# Altium PCB 3-as-manufactured.PcbDoc (part 6 of 16)
Units mil, origin at the board's own origin, x right, y up, seen from the top; angles counter-clockwise.
Board outline 4130.55 x 4250 mil, 8 copper layers (L1_TOP, L2_GND, L3_INT, L4_PWR, L5_PWR, L6_INT, L7_GND, L8_BOT), stack 61 mil thick; 584 components, 489 nets, 2229 pads, 1894 vias.
Unrouted connection lines stored in the file: 4.
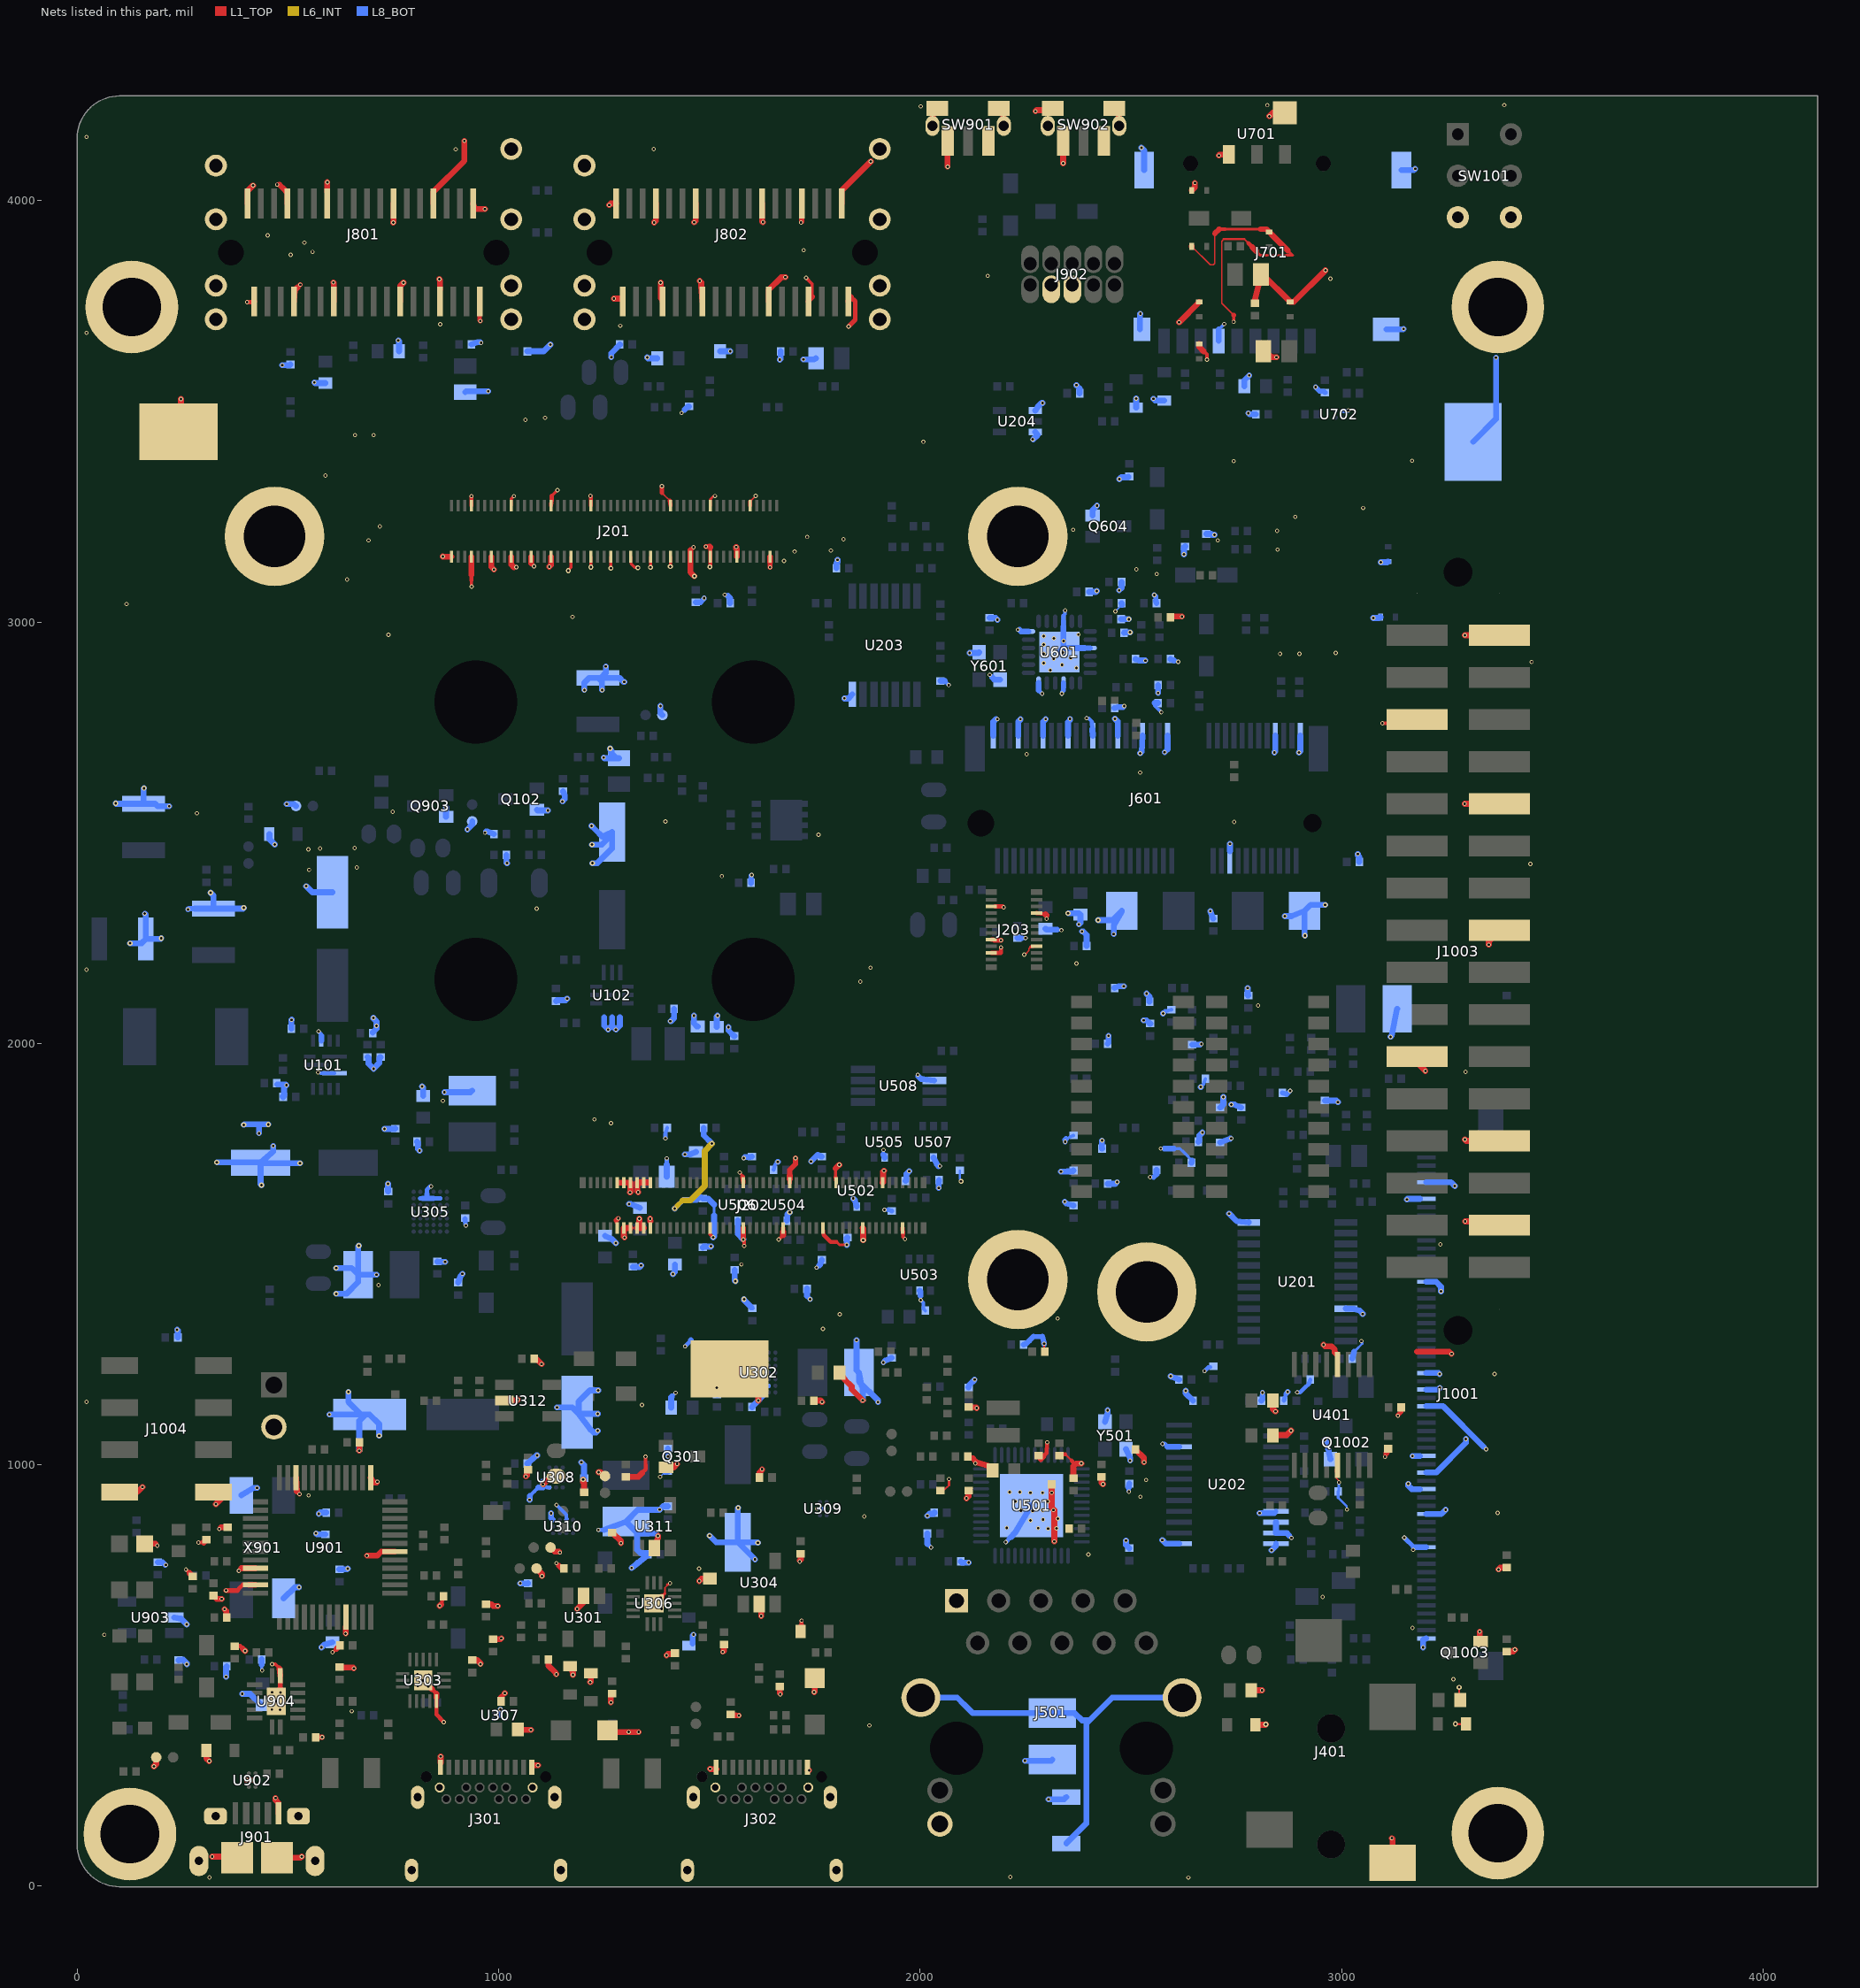
[diagram p12: the nets of this part, all layers, seen from the top]

## Via types
v1: diameter 10, hole 5.9, L1_TOP to L8_BOT, tented both sides, 1703 vias
v2: diameter 12, hole 5.9, L1_TOP to L8_BOT, tented both sides, 110 vias
v3: diameter 10, hole 6, L1_TOP to L8_BOT, tented both sides, 69 vias
v4: diameter 12, hole 6, L1_TOP to L8_BOT, tented both sides, 12 vias

## Nets (pads, with @x,y where several pads share a name; then routed paths per layer and width w, separated by ;. In a path a pad name is that pad's centre, name@x,y a point inside that pad or via, vN(x,y) a via of type N, cw(c..) or ccw(c..) an arc to the next point about the centre after c; other vN are vias at no path point) (continued)
GND: BH1201.1 BH1202.1 BH1203.1 BH1204.1 BH1206.1 BH1207.1 BH1208.1 BH1209.1 C101.2 C103.2 C105.2 C106.2 C107.2 C108.2 C109.2 C113.2 C114.2 C116.2 C117.2 C119.2 C120.2 C121.2 C141.2 C142.2 C145.2 C157.2 C161.2 C201.2 C202.2 C203.2 C204.2 C205.2 C206.2 C207.2 C208.2 C209.2 C210.2 C211.2 C212.2 C213.2 C214.2 C215.2 C216.2 C217.2 C218.2 C219.2 C220.2 C221.2 C301.2 C302.2 C303.2 C304.2 C305.2 C308.2 C309.2 C311.2 C313.2 C314.2 C316.2 C317.2 C318.1 C319.2 C320.1 C321.2 C322.2 C323.2 C325.2 C326.2 C327.2 C329.2 C331.2 C332.1 C333.2 C334.2 C335.2 C336.1 C337.2 C338.2 C339.2 C340.2 C341.2 C342.2 C343.2 C344.2 C401.2 C402.2 C403.2 C404.1 C406.1 C407.2 C501.2 C502.2 C503.2 C504.2 C505.2 C506.2 C507.2 C508.2 C509.2 C510.2 C511.2 C512.2 C513.2 C514.2 C515.2 C516.2 C517.1 C518.2 C519.2 C520.2 C521.2 C522.2 C523.2 C524.2 C525.2 C526.2 C527.2 C603.2 C604.2 C605.2 C606.2 C607.2 C608.2 C609.2 C611.2 C613.2 C614.2 C617.2 C618.2 C620.2 C621.2 C622.2 C623.2 C624.2 C625.2 C702.2 C703.2 C704.2 C706.2 C707.2 C708.2 C801.2 C802.2 C803.2 C804.2 C805.2 C806.2 C807.2 C811.2 C812.2 C813.2 C814.2 C815.2 C901.2 C902.2 C903.2 C905.2 C906.2 C907.2 C908.2 C909.2 C910.2 C911.2 C912.2 C913.2 C914.2 C915.2 C916.2 C917.2 C918.2 C920.1 C1001.2 C1002.2 C1003.2 D101.A D301.A D303.A D702.A D703.A D704.A D705.A D706.A D707.A D708.C D1001.A D1002.A J101.2 J201.1 J201.7 J201.8 J201.13 J201.19 J201.20 J201.25 J201.31 J201.32 J201.37 J201.43 J201.44 J201.49 J201.55 J201.61 J201.67 J201.68 J201.73 J201.79 J201.80 J201.87 J201.92 J201.97 J202.9 J202.10 J202.11 J202.12 J202.13 J202.14 J202.15 J202.16 J202.17 J202.18 J202.19 J202.20 J202.47 J202.48 J202.60 J202.61 J202.72 J202.75 J202.84 J202.89 J202.96 J203.3 J203.6 J203.7 J203.16 J203.17 J301.25 J301.26 J301.27 J301.28 J301.A1 J301.A12 J301.B1 J301.B12 J302.25 J302.26 J302.27 J302.28 J302.A1 J302.A12 J302.B1 J302.B12 J401.1 J501.1 J501.12 J601.1 J601.7 J601.18 J601.33 J601.39 J601.45 J601.51 J601.57 J601.63 J601.69 J601.75 J701.6 J701.10 J701.11 J701.12 J701.13 J801.A1 J801.A4 J801.A7 J801.A12 J801.A15 J801.A18 J801.B1 J801.B4 J801.B7 J801.B12 J801.B15 J801.B18 J801.T1 J801.T2 J801.T3 J801.T4 J801.T5 J801.T6 J801.T7 J801.T8 J802.A1 J802.A4 J802.A7 J802.A12 J802.A15 J802.A18 J802.B1 J802.B4 J802.B7 J802.B12 J802.B15 J802.B18 J802.T1 J802.T2 J802.T3 J802.T4 J802.T5 J802.T6 J802.T7 J802.T8 J901.5 J901.S1 J901.S2 J901.S3 J901.S4 J901.S5 J901.S6 J902.3 J902.5 J1001.5 J1001.7 J1001.17 J1001.28 J1001.30 J1001.32 J1001.38 J1001.40 J1001.42 J1001.45 J1001.49 J1001.60 J1003.6 J1003.9 J1003.14 J1003.20 J1003.25 J1003.30 J1003.34 J1003.39 J1004.7 J1004.8 Q102.2 Q301.2 Q604.2 Q903.2 Q1002.2 Q1003.2 R108.2 R109.2 R111.2 R115.2 R133.2 R139.2 R215.2 R301.2 R313.2 R314.2 R321.2 R322.2 R328.1 R329.1 R330.1 R333.2 R346.2 R357.2 R359.2 R361.1 R405.2 R514.1 R515.2 R517.2 R518.2 R520.2 R521.2 R522.2 R523.2 R524.2 R525.2 R618.1 R619.1 R620.1 R621.2 R622.2 R625.1 R921.2 R922.2 R930.1 R1033.2 R1102.2 R1104.2 R1106.2 R1108.2 R1110.2 R1112.2 R1114.2 R1116.2 R1118.2 R1120.2 R1122.2 R1124.2 R1126.2 R1128.2 R1130.2 R1132.2 R1134.2 R1136.2 R1139.2 R1140.2 SW101.3 SW101.6 SW901.1 SW901.3 SW901.SH SW902.1 SW902.3 SW902.SH TP1201.1 TP1202.1 TP1203.1 TVS303.1 TVS304.1 TVS307.1 TVS308.1 TVS401.1 TVS402.1 TVS701.1 TVS702.1 TVS901.1 U101.2 U101.10 U102.10 U201.12 U201.21 U202.9 U202.10 U202.11 U202.12 U202.13 U202.22 U203.7 U204.1 U204.3 U301.2 U302.A4 U302.B2 U302.B3 U302.B4 U302.B5 U303.5 U303.17 U304.2 U305.A4 U305.B2 U305.B3 U305.B4 U305.B5 U306.17 U307.B1 U308.B3 U308.D3 U309.B1 U310.B3 U310.D3 U311.2 U312.2 U401.4 U401.13 U501.49 U502.2 U503.2 U504.2 U505.2 U506.2 U507.2 U508.2 U601.6 U601.10 U601.15 U601.21 U601.24 U601.25 U701.3 U701.4 U702.B2 U901.9 U901.18 U901.25 U901.34 U901.45 U901.47 U902.B1 U903.2 U904.7 U904.15 X901.2 X901.4 Y501.2 Y501.4 Y601.2 Y601.4 | length 19760.1
  L1_TOP w3.5: 1387.13,3306.94 1392.81,3301.25 1398.5,3295.57 1398.85,3295.57 J201.68@1405.75,3288.67 ; J201.92@1596.46,3286.53 1602.97,3293.03 v1(1609.47,3299.53) ; C504.2@2048.32,938.62 2057.39,941.35 2063.67,947.64 2064.63,947.64 ; 2253.68,2214.99 2254.45,2216.87 2255.21,2218.02 2257.94,2220.74 2257.94,2225.37 2257.97,2225.44 2258.1,2225.44 ; D706.A@2644.37,3891.86 2688.17,3848.05 2695.86,3848.05 2699.14,3851.32 2699.14,3922.42 ; 2720.38,3909.21 2715.32,3904.15 2715.32,3757.18 2724.79,3747.71 2734.27,3738.23 2743.75,3728.75 ; 2768.94,3909.21 2778.55,3899.6 ; 2822.59,3870.76 2868.18,3870.76
  L1_TOP w3.83: 1394.29,694.32 1394.29,708.53 1399.89,714.12 1399.89,715.58 ; 2064.63,947.64 2068.37,951.38 ; v1(2247,2211) 2248.67,2211 2252.66,2214.99 2253.68,2214.99 ; 2258.1,2225.44 2258.1,2225.58 2261.98,2229.46 ; v1(2294.08,1287.53) 2294.08,1270.05 C523.2@2295.32,1268.81 ; 2988.02,967.89 2992.63,963.28 2992.63,959.4 v1(2993.81,958.22)
  L1_TOP w4.85: J202.10@1278.81,1575.43 J202.10@1280.8,1561.94 ; 2344.54,1024.87 2359.74,1009.67 ; 2988.02,967.89 U401.13@2989.04,983.2
  L1_TOP w5: v2(3270,385) TVS402.1@3295.46,385 ; v2(3279,472) 3279,444.59 C407.2@3281.59,442
  L1_TOP w5.87: J202.9@1280.81,1669.65 1284.8,1669.65 ; J202.19@1355.55,1670.35 J202.19@1359.55,1669.65 ; J202.20@1359.55,1561.93 J202.20@1359.55,1570.29 ; 1399.89,715.58 1401.84,715.58 1405.18,718.93 v1(1406.3,718.93) ; J201.80@1501.99,3289.68 1501.99,3291.33 1510.02,3299.36 v1(1512.97,3299.39) ; v1(1572,1694) 1572,1692.88 1578.69,1686.2 1578.69,1683.28 ; 1801.49,1529.1 1808.6,1521.98 v1(1826,1522) ; 2068.37,951.38 v1(2068.37,966.34) ; 2720.38,3909.21 2768.94,3909.21
  L1_TOP w6.9: J201.20@1029.54,3276.42 1029.55,3292.94 v1(1035.65,3299.04) ; 1125.37,3299.48 v1(1139.04,3313.15) ; v2(1164.75,3122.25) 1164.75,3123.63 1171.27,3130.15 J201.37@1171.27,3155.16 ; v2@1218.49,3130.54 J201.43@1218.51,3155.16 ; J201.49@1265.76,3155.16 1265.88,3155.04 1265.88,3128.12 v2(1266,3128) ; J201.55@1313,3155.16 1313.55,3154.61 1313.55,3139 1322.57,3129.98 1329.02,3129.98 v2(1330,3129) ; v2(1360,3130) 1360.12,3130.12 1360.12,3155.04 J201.61@1360.24,3155.16 ; U306.17@1386.56,686.6 1394.29,694.32 ; v2(1407,3132) 1407.25,3132.25 1407.25,3154.92 J201.67@1407.49,3155.16 ; 2261.98,2229.46 J203.6@2276.44,2230.9 ; 2723.44,3932.55 2807.94,3932.55 ; 2797.78,3880.37 2807.39,3870.76 2822.59,3870.76 ; 2868.18,3870.76 2883.37,3870.76 ; 2872.3,3881.85 2883.38,3870.77
  L1_TOP w7.92: v1(257.62,751.8) C903.2@266.12,743.3 ; v1(462.19,527.08) 469.81,527.08 U904.7@479.67,517.22 ; v1(605.24,555.19) 606.37,555.19 614.53,563.35 ; 935.06,3098.86 935.13,3098.79 935.13,3084.85 v1(935.53,3084.46) ; v1(1136.52,766.89) 1142.87,760.53 ; J202.10@1278.81,1575.43 1278.81,1580.29 ; J202.20@1359.55,1570.29 1359.55,1578.65 ; J201.80@1501.98,3276.42 J201.80@1501.99,3289.68 ; v1(1664.32,1534.67) 1674.51,1544.86 ; v1(1729,3817) 1743.56,3802.44 1743.56,3772.71 ; 1799.16,1683.15 1799.16,1703.59 ; 1959.3,1548.43 1959.3,1541.26 1964,1536.56 v1(1964,1536) ; v1(2299.69,2296.18) 2299.69,2304.29 ; 2709.27,3932.55 2723.44,3932.55 ; v1(2743.75,3712.82) 2743.75,3728.75 ; v1(3103,1019) 3103.4,1019.4 3103.4,1024.77 3105.98,1027.35
  L1_TOP w8.94: v1(287.05,815.56) C908.2@299.66,815.56 ; v1(336.57,847.69) 340.8,851.93 ; v1@862.95,668.62 R921.2@865.82,678.19 ; 935.06,3098.86 935.06,3112.94 ; v1@1142.56,794.43 v1(1145.11,791.88) ; 1339.99,980.59 1348.75,989.35 1348.75,1000.93 1348.25,1001.42 v1(1348.25,1019.59) ; v1(1580.02,1535.03) 1582.26,1532.79 v1(1582.26,1519.39) ; J201.92@1596.46,3276.42 J201.92@1596.46,3286.53 ; v1@1717.05,3948.74 v1@1718.98,3950.67 ; TVS308.1@1718.45,618.62 v1(1718.45,630.17) ; J202.72@1768.98,1561.93 1769.77,1553.95 1770.56,1545.97 1778.99,1537.53 1787.42,1529.1 1801.49,1529.1 ; 1799.16,1683.15 J202.75@1800.49,1669.65 ; v1(2130.97,1003.78) v1@2132.62,1005.42 ; 2299.69,1038.44 2301.11,1039.87 2301.11,1053.42 v1(2301.32,1053.63) ; C512.2@2330.32,1021.63 2337.51,1024.87 2344.54,1024.87 ; 2672.4,3643.08 2672.93,3643.08 2680.56,3635.45 v1(2680.56,3623) ; v1(3096.91,2760.25) J1003.9@3111.66,2760.25 ; v1(3133.42,1116.51) v1@3133.42,1117.95
  L1_TOP w9.96: 185.19,812.83 v1(189.61,808.42) ; C915.2@372.87,569.7 386.51,569.7 392.18,564.03 ; 379.56,701.96 386.17,708.57 U901.47@392.78,715.18 ; v1(382.99,748.46) 383.24,748.46 389.37,754.59 ; v1(402.79,3759.59) J801.A1@417.58,3759.59 ; v1(473.93,4038.51) 479.44,4038.51 ; v1@709.84,958.18 v1(711.75,960.09) ; U303.17@841.76,467.37 852.26,456.86 ; U303.5@852.26,448.09 852.26,407.44 860.79,398.92 860.79,397.91 v1(869.32,389.38) ; R921.2@865.82,678.19 R921.2@868.7,687.75 ; v1(934.83,3299.26) 934.83,3276.65 J201.8@935.05,3276.42 ; 1076.79,3139.39 v1(1083.59,3132.59) ; J201.32@1124.02,3276.42 1125.37,3290.43 ; v1(1217.62,3299.55) 1218.52,3298.65 J201.44@1218.51,3276.42 ; J201.68@1405.75,3288.67 J201.68@1407.49,3276.42 ; 1454.74,3170.72 1461.85,3177.83 v1(1461.85,3177.92) ; v2(1501,3131) 1501,3131.55 1501.98,3132.53 J201.79@1501.98,3155.16 1501.99,3177.88 ; J202.60@1674.51,1553.4 J202.60@1674.51,1561.93 ; v1(1714.21,770.53) v1@1714.21,773.16 ; J202.96@1957.97,1561.93 1959.3,1548.43 ; J203.3@2168.74,2215.14 2191.65,2215.14 v1(2191.67,2228.43) ; J203.7@2168.74,2246.65 2173.95,2246.65 J203.7@2175.46,2245.14 ; J203.17@2177.26,2325.39 2195.6,2325.39 v1(2198,2323) ; J203.16@2276.44,2309.64 2286.93,2308.09 2297.42,2306.56 ; 2292.83,1021.03 2299.69,1027.88 2299.69,1038.44 ; 2359.74,1009.67 2365.19,1003.62 ; 2778.55,3899.6 2788.16,3889.98 ; U401.13@2989.04,983.2 U401.13@2990.06,998.52
  L1_TOP w10.99: U901.47@392.78,715.18 U901.47@407.59,715.18 ; v1@400.98,251.77 409.84,251.77 U902.B1@414.88,251.79 ; U904.15@481.46,469.6 U904.7@481.46,499.75 ; 521.01,936.81 v1(527.09,930.73) ; 522.18,3794.32 v1(528.91,3801.06) ; J801.A18@954.65,3761.22 954.65,3716.35 v1(956,3715) ; C303.2@1005.06,448.69 v1@1014.33,457.96 ; 1035.48,3130.77 v1(1041.84,3130.77) ; 1125.37,3290.43 1125.37,3299.48 ; 1387.13,3306.94 v1(1387.13,3322.59) ; v1(1491.39,3179.42) 1500.45,3179.42 ; 1578.69,1683.28 1578.69,1683.15 J202.47@1580.02,1669.65 ; v1(1643.72,3130.31) J201.97@1643.72,3143.19 ; J202.61@1690.24,1669.65 J202.61@1690.24,1677.94 ; v1(1830,3702) 1845.72,3717.72 1845.72,3761.36 J802.A18@1835.4,3771.68 ; J203.7@2175.46,2245.14 v1(2191.65,2245.14) ; v1@3133.42,1117.95 3141.32,1125.85 C404.1@3141.33,1136
  L1_TOP w12.01: v1(352.68,701.96) 379.56,701.96 ; C916.2@565.03,353.61 v1(580.92,353.61) ; v1(956.4,526.89) v1@956.4,529.14 ; 1278.81,1580.29 v1(1283.43,1584.92) ; v1(1531.3,555.71) v1@1534.06,558.47 ; 1561.34,405.34 v1(1569.97,405.34) ; v1(1667.99,455.79) v1@1667.99,457.11 ; 1690.24,1686.24 1690.24,1700.24 1704,1714 v1(1704,1728) ; J802.A15@1734.73,3761.22 J802.A15@1736.45,3765.6
  L1_TOP w13.03: v1(400.94,251.82) v1@400.98,251.77 ; 479.44,4038.51 488.7,4029.25 ; 982.3,3131.2 v1(988.72,3124.78) ; J802.A4@1388.29,3761.22 J802.A4@1388.29,3765.21 ; v1(1580.02,1535.03) J202.48@1580.02,1561.93 ; v1@1718.98,3950.67 J802.B15@1718.98,3993.5 ; 2125.57,1015.09 v1@2132.18,1006.83 ; v1@2132.62,1005.42 v1@2132.62,1006.52 ; 2699.14,3922.42 2709.27,3932.55 ; 2807.94,3932.55 2821.6,3932.55
  L1_TOP w14.05: J1004.8@100.37,935.79 142.6,935.79 v1(154.31,947.5) ; D708.C@160.12,812.83 185.19,812.83 ; v1(181.59,284.22) 186.99,289.62 R930.1@186.99,305.92 ; TP1201.1@240,3452 245.69,3457.69 v1(245.69,3529.41) ; C903.2@266.12,743.3 C903.2@273.34,735.72 ; C908.2@299.66,815.56 C908.2@306.52,822.41 ; TVS901.1@305.9,322.3 305.91,303.58 v1(312.72,296.77) ; v1(319.83,70.06) 376.51,70.06 J901.S3@378.87,67.7 ; J1004.7@322.89,935.79 339.54,917.42 v1(328.81,906.69) ; C902.2@323.11,689.6 330.78,681.92 v1(342.6,681.92) ; 340.8,851.93 C907.2@356.28,851.93 ; v1(349.24,657.44) 353.32,653.36 353.32,641.16 C901.2@354.46,637.95 ; 389.37,754.59 U901.45@422.4,754.59 ; 392.18,564.03 v1(397.85,558.36) ; J801.B1@403.47,3993.5 403.46,4023.09 v1(416.84,4036.46) ; U901.47@407.59,715.18 U901.47@422.4,715.19 ; J801.A1@417.58,3759.59 J801.A1@419.22,3761.22 ; v1(470.12,209.2) 470.12,204.31 477.32,197.11 J901.5@477.31,173.02 ; v1(471.63,438.73) 473.45,456.72 477.26,462.84 U904.15@481.46,469.59 ; J901.S4@473.37,67.71 530.04,67.7 v1(532.41,70.06) ; U904.7@479.67,517.22 U904.7@481.46,499.75 ; 488.7,4029.25 497.95,4020 J801.B4@497.96,3993.5 ; J801.A4@513.71,3761.22 515.44,3787.59 522.18,3794.32 ; U901.34@518.95,969.34 521.01,936.81 ; J801.B7@592.48,4021.97 592.48,4043.48 v1(593,4044) ; v1(607.54,3806.12) 608.19,3805.47 J801.A7@608.19,3761.22 ; 614.53,563.35 C909.2@623.52,571.54 ; C920.1@621.7,519.9 625.39,518.79 654.21,518.79 v1(656,517) ; v1(636.6,599.6) U901.9@636.6,615.36 ; v1(668.83,1033.65) 669.63,1034.45 R922.2@669.64,1052.99 ; v1(687,784.43) 711.35,784.43 720.92,794 U901.18@753.4,793.99 ; U901.25@696.25,969.34 702.93,958.18 v1@709.84,958.18 ; v1(749.46,3948.63) 749.92,3949.09 J801.B12@749.93,3993.5 ; J801.A12@765.67,3761.22 765.67,3797.62 v1(773.77,3805.72) ; U303.17@820.75,488.54 v1(820.75,488.37) U303.17@841.76,467.37 ; J801.B15@844.41,3993.5 844.41,4020.72 918.33,4094.64 v1(918.33,4142.02) ; U303.5@852.26,448.09 852.26,456.86 ; v1(859,3814) 860.16,3812.84 J801.A15@860.16,3789.69 ; v1(859.64,665.3) v1@862.95,668.62 ; J301.A1@862,292.84 v1(862,308) ; v1(867.02,3155.86) 867.72,3155.16 J201.1@887.8,3155.16 ; 935.06,3112.94 J201.7@935.05,3155.16 ; R301.2@936.88,536.5 949.04,536.5 v1@956.4,529.14 ; J801.B18@938.9,3993.5 943.95,3980.71 v1(967.05,3980.71) ; C320.1@970.06,669.31 982.24,669.31 986.61,664.94 v1(997.42,664.94) ; 982.3,3131.2 J201.13@982.29,3155.16 ; C318.1@986.65,586.3 1003.98,586.32 v1(1006.15,588.48) ; C303.2@1005.06,438.74 C303.2@1005.06,448.69 ; U312.2@1013.49,1152.6 1042.74,1152.6 v1(1044.96,1154.81) ; v1@1014.33,457.96 v1(1014.33,458.25) ; J201.19@1029.54,3155.16 1029.55,3136.7 1035.48,3130.77 ; C319.2@1045.42,372.33 1046.68,371.06 v1(1076.09,371.06) ; v1(1064,972.38) 1066.62,975 1066.62,986.45 1068.59,988.43 C340.2@1069.59,988.42 ; 1076.79,3139.39 J201.25@1076.78,3155.16 ; J301.A12@1079.35,287.08 v1(1093.14,287.08) ; R346.2@1084.35,1252.21 R346.2@1091.33,1249.62 ; R361.1@1089.59,754.16 1102.46,741.28 v1(1102.46,736.12) ; R346.2@1091.33,1249.62 v1(1101.66,1239.28) ; v1(1104.82,953.61) 1105.7,953.61 1125.28,973.19 C339.2@1135.95,973.18 ; R314.2@1117.53,538.34 1117.54,523.63 1135.62,505.55 1135.62,503.92 v1(1136.57,502.97) ; v1(1119.9,3131.56) 1124.04,3135.7 J201.31@1124.02,3155.16 ; R357.2@1122.77,803.97 1132.3,794.43 v1@1142.56,794.43 ; 1142.87,760.53 1149.23,754.18 R313.2@1154.36,754.16 ; TVS304.1@1168.9,522.33 1176.08,506.2 v1(1176.09,501.67) ; v1(1185.85,658.32) 1201.3,673.76 U301.2@1201.3,689.13 ; v2(1199.99,965.19) 1199.99,959.18 1202.3,956.87 C344.2@1202.3,934.94 ; v1(1217.1,484.15) 1218.68,485.73 TVS303.1@1218.68,505.73 ; v1(1236.83,982.46) 1240.96,982.46 R359.2@1246.8,976.62 ; v1(1262.09,3989.91) 1265.68,3993.5 J802.B1@1278.04,3993.5 ; v1(1266,436) 1266,455.2 1267.98,457.19 C336.1@1268.65,457.17 ; D301.A@1267.69,366 v1(1308,366) v1(1332,366) ; C341.2@1268.65,839.01 1269.67,838.99 1290.05,818.61 v1(1290.05,814.11) ; v1(1273,3768) J802.A1@1293.76,3768 ; 1284.8,1669.65 1312.3,1669.65 1312.3,1647.5 v1(1311.57,1646.77) ; v1(1298.34,1539.73) 1296.56,1541.52 1296.56,1561.93 J202.14@1312.3,1561.93 ; R333.2@1301.83,971.82 1331.22,971.83 1339.99,980.59 ; J202.16@1328.05,1561.93 1333.62,1567.51 v1(1333.62,1584.34) ; J202.16@1328.06,1561.93 J202.18@1343.79,1561.93 ; v1(1330.94,1647.17) 1328.05,1650.06 1328.05,1669.65 1332.05,1670.35 1339.8,1670.35 1343.79,1669.65 1347.8,1670.35 J202.19@1355.55,1670.35 ; v1(1359.03,1584.17) 1359.03,1579.17 1359.55,1578.65 ; U306.17@1368.19,671.15 1371.11,671.15 1378.84,678.87 1384.48,684.52 U306.17@1386.56,686.6 ; v1(1368.45,3948.55) 1372.52,3952.62 J802.B4@1372.53,3993.5 ; U311.2@1369.17,802.56 1377.8,827.44 v1(1377.8,831.36) ; v1(1384.08,3805.7) 1384.08,3769.42 J802.A4@1388.29,3765.21 ; Q301.2@1397.07,994.29 1415.3,994.27 v1(1423.25,1002.22) ; v1(1398,548) 1401.13,551.13 1415.99,551.13 C332.1@1417.95,553.1 ; 1454.74,3170.72 J201.73@1454.73,3155.16 1454.73,3118.31 v2(1464.02,3109.02) ; v1(1463.42,3948.87) 1467.03,3952.48 J802.B7@1467.02,3993.5 ; v1(1475.69,724.36) 1481.28,729.94 C335.2@1500.89,729.95 ; v1(1476.78,3809.72) 1480.42,3806.08 1480.42,3796.73 J802.A7@1482.76,3761.22 ; 1500.45,3179.42 1501.99,3177.88 ; v1@1501.28,278.72 1502.5,277.5 J302.A1@1516.28,277.5 ; v1@1534.06,558.47 C343.2@1534.07,573.39 ; TP1202.1@1548,1228 1576.55,1174.48 1608.98,1174.48 1615.93,1167.53 v1(1615.93,1152.7) ; C323.2@1550.66,407.37 1552.71,405.34 1561.34,405.34 ; v1(1563.53,3178.55) 1563.53,3174.18 1564.98,3172.72 J201.87@1564.98,3155.16 ; U304.2@1618.01,669.77 1618.01,657.89 1622.61,653.29 v1(1622.61,641.39) ; C207.2@1618.84,969.98 1618.84,982.16 1624.83,988.15 v1(1624.83,989.61) ; J802.B12@1624.5,3993.5 1624.49,3951.56 v1@1626.7,3949.34 ; J802.A12@1640.24,3761.22 1640.24,3788.44 1670.47,3818.67 v1(1680.14,3818.67) ; J201.97@1643.72,3143.19 J201.97@1643.71,3155.16 ; R321.2@1666.78,473.78 1666.77,458.32 v1@1667.99,457.11 ; 1674.51,1544.86 J202.60@1674.51,1553.4 ; J202.61@1690.24,1677.94 1690.24,1686.24 ; v1@1714.21,773.16 1716.54,775.49 R322.2@1716.55,789.21 ; TVS308.1@1715.93,604.53 1718.45,607.06 TVS308.1@1718.45,618.62 ; J302.A12@1733.58,275 v1(1736.29,275) ; J802.A15@1736.46,3765.6 1743.56,3772.71 ; C507.2@1747.89,1152.6 1763.77,1152.6 v1(1767.16,1149.21) ; v1(1748.41,460.72) 1749.72,462.04 D303.A@1749.72,493.86 ; 1799.16,1703.59 1807.57,1712 v1(1808,1712) ; C506.2@1808.49,1219 1820.98,1202.52 1837.27,1186.23 1837.27,1179.5 v1(1863.65,1153.13) ; J802.B18@1813.47,3993.5 1813.46,4024.25 v1(1882.8,4093.58) ; J802.A18@1829.22,3761.22 J802.A18@1835.4,3771.68 ; J202.84@1863.47,1561.94 1864.69,1560.72 v2(1864.69,1533.1) ; J202.89@1910.72,1669.64 1912,1670.92 1912,1696 v1(1914,1698) ; SW901.SH@2028.98,4177.8 2029.84,4177.82 SW901.SH@2029.84,4215.18 ; v1(2065,4081) SW901.1@2065,4141.96 ; v1(2109.64,920.37) 2114.69,925.42 C503.2@2114.69,938.62 ; C501.2@2112.84,1019.79 2125.57,1015.09 ; C524.2@2114.69,1137.85 2131.08,1136.69 2132.31,1136.69 v1(2134,1135) ; v1@2132.18,1006.83 2132.62,1006.52 2161,997.6 C508.2@2172.02,986.58 C508.2@2172.02,986.58 ; SW901.SH@2196.91,4215.18 2196.91,4195.48 SW901.SH@2198.29,4177.8 ; v1(2273.47,4212.59) 2276.05,4215.18 SW902.SH@2303.8,4215.18 ; C509.2@2280.56,1021.63 2285.98,1014.18 2286.99,1015.19 2292.83,1021.03 ; 2297.42,2306.56 2299.69,2304.29 ; C505.2@2311.9,953.38 v1(2311.91,933.88) 2311.91,898.92 2318.22,892.61 v1(2318.22,818.35) ; v1(2339,4089) 2339.3,4089.3 SW902.1@2339.3,4142.36 ; C511.2@2364.49,968.13 2363.5,969.13 2363.5,996.82 2370,1003.32 v1(2382.45,1003.32) ; C513.2@2429.85,971.82 2429.84,958.14 v1(2433.82,954.16) ; SW902.SH@2470.87,4215.18 2470.87,4177.83 SW902.SH@2472.18,4177.79 ; C510.2@2510.97,1036.39 2531.15,1016.2 v1(2531.15,1006.08) ; C607.2@2593.91,3011.97 2595.27,3013.32 v1(2621.21,3013.32) ; v1(2614.18,3711.62) 2662.09,3759.52 D704.A@2662.09,3760.16 ; D707.A@2644.37,4024.67 2651.81,4032.11 v1(2651.81,4042.45) ; D703.A@2662.09,3660.55 2662.09,3653.39 2672.4,3643.08 ; v1(2708.64,4107.68) 2710.88,4109.92 U701.3@2732.15,4109.92 ; C406.1@2785.59,465 v1(2811,465) ; 2788.16,3889.98 2797.78,3880.37 ; C707.2@2794.8,3757.2 2794.81,3766.06 C706.2@2808.59,3825.23 2812.71,3825.23 D702.A@2877.74,3760.16 2886.71,3760.18 v1(2961.55,3835.01) ; TVS401.1@2795.46,383 2819,383 v2(2820,384) ; C703.2@2814.19,3643.05 2832.68,3630.76 2834.75,3628.69 v1(2845.21,3628.69) ; 2821.6,3932.55 D705.A@2827.98,3926.18 2839.05,3915.09 2861.22,3892.93 2872.3,3881.85 ; v1(2828.46,4200.79) 2836.65,4208.98 U701.4@2865.22,4208.97 ; C403.2@2836.99,1069.61 2838.21,1070.83 2869.25,1070.83 2879.94,1081.52 v1(2880.06,1081.52) ; C402.2@2836.99,1152.6 2836.99,1132.8 v1(2843.01,1126.79) ; v1(2957,1285) 2960.45,1281.55 2975.86,1281.55 2983.49,1273.92 2983.49,1267.04 U401.4@2989.04,1261.49 ; 3105.98,1027.35 C401.2@3109.98,1038.23 ; J1003.9@3111.66,2760.25 3170.65,2760.25 J1003.9@3179.19,2768.79 ; v1(3119,114) 3120.67,112.33 J401.1@3120.67,55.69 ; J1003.39@3179.17,1268.78 3255.37,1268.78 v1(3260.82,1263.33) ; J1003.25@3179.19,1968.79 3179.19,1954.16 v1@3198.78,1934.58 ; v1(3292.03,2568.78) J1003.14@3374.07,2568.79 ; v1(3292.39,2968.78) J1003.6@3374.07,2968.79 ; v1(3292.44,1772.08) 3295.75,1768.78 J1003.30@3374.07,1768.79 ; v1(3293.08,1577.92) 3364.94,1577.92 J1003.34@3374.07,1568.79 ; v1(3327.79,603.95) 3327.79,582.61 Q1003.2@3329.93,580.44 ; v1(3349.13,2234.45) 3349.13,2243 3349.91,2243.78 J1003.20@3374.07,2268.79 ; v1(3372.17,751.8) 3376.38,756 R405.2@3391.99,756 ; R1033.2@3391.99,556.78 3406.85,556.79 v1(3411.39,561.33)